# Altium PCB PCB3.PcbDoc
Units mm, origin at the board's own origin, x right, y up, seen from the top; angles counter-clockwise.
Board outline 110 x 150 mm, 2 copper layers (Top Layer, Bottom Layer); 58 components, 0 nets, 211 pads, 0 vias.
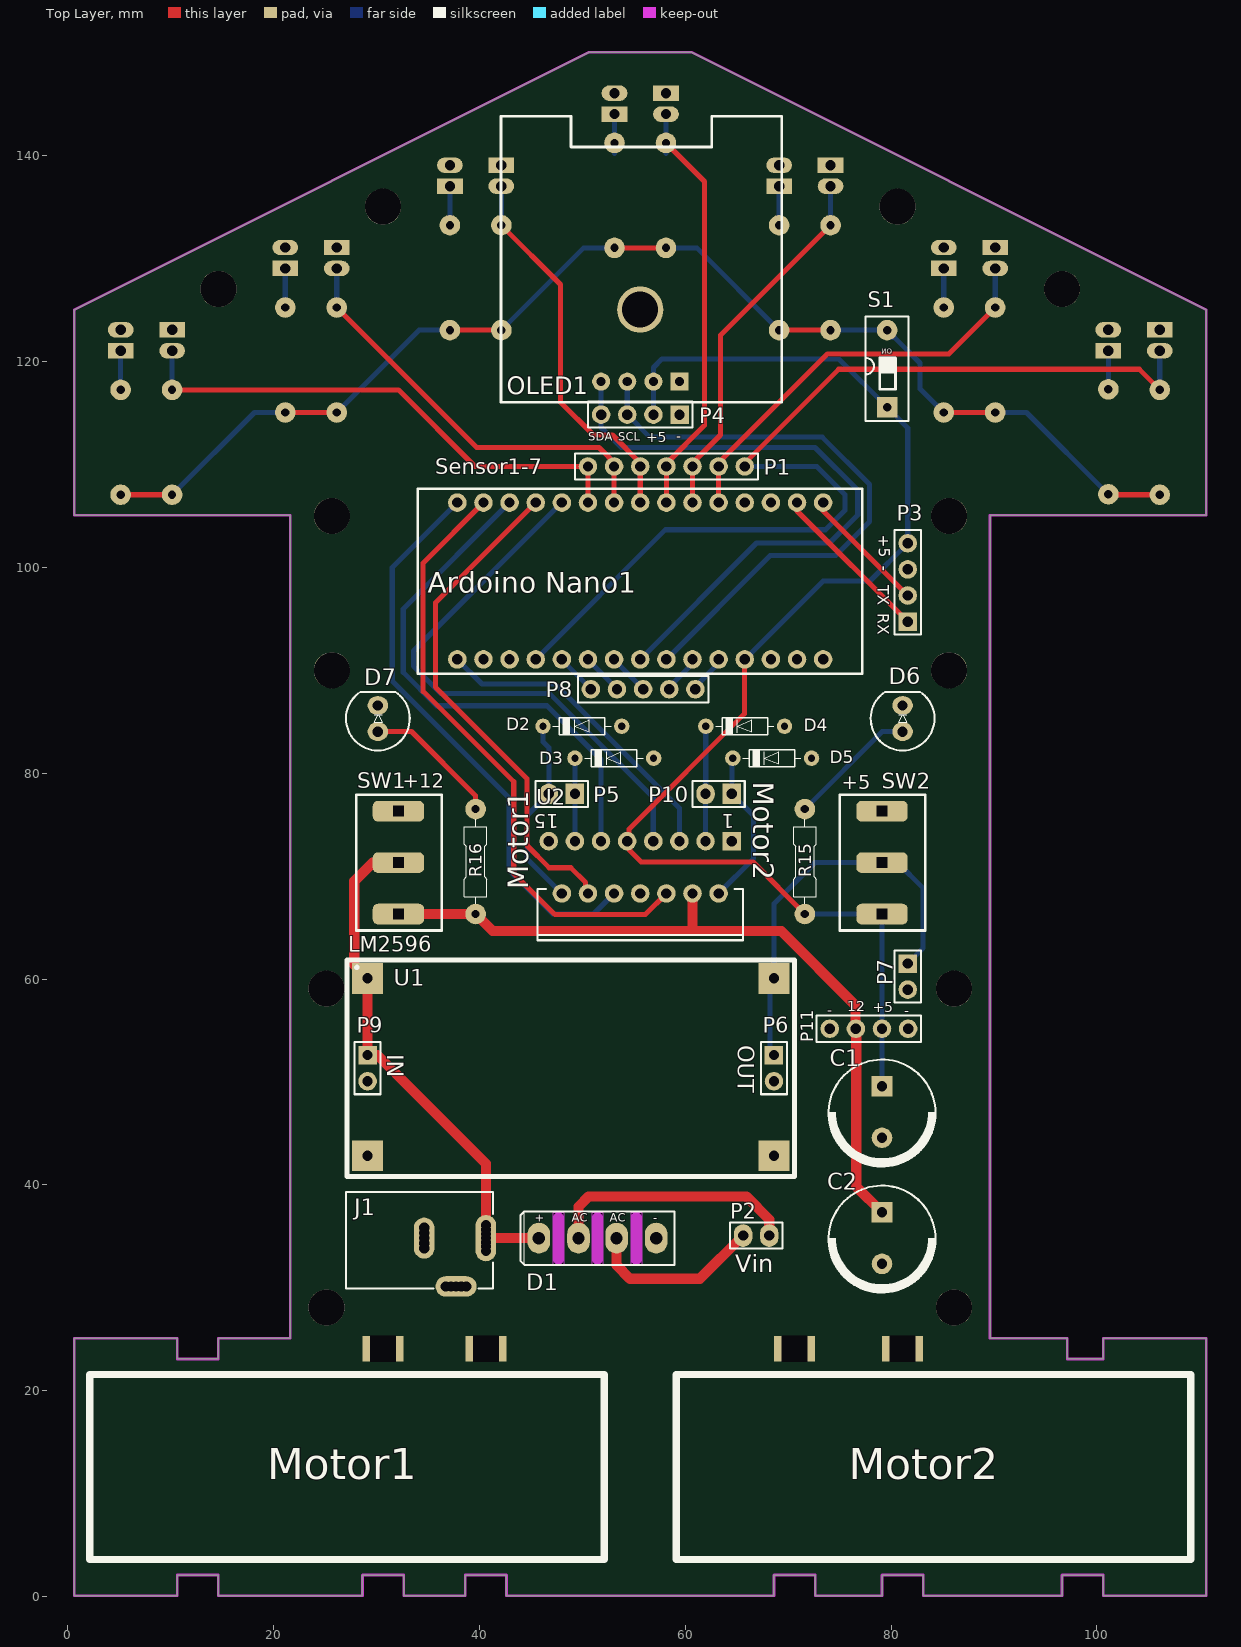
[diagram p0: Top Layer view]
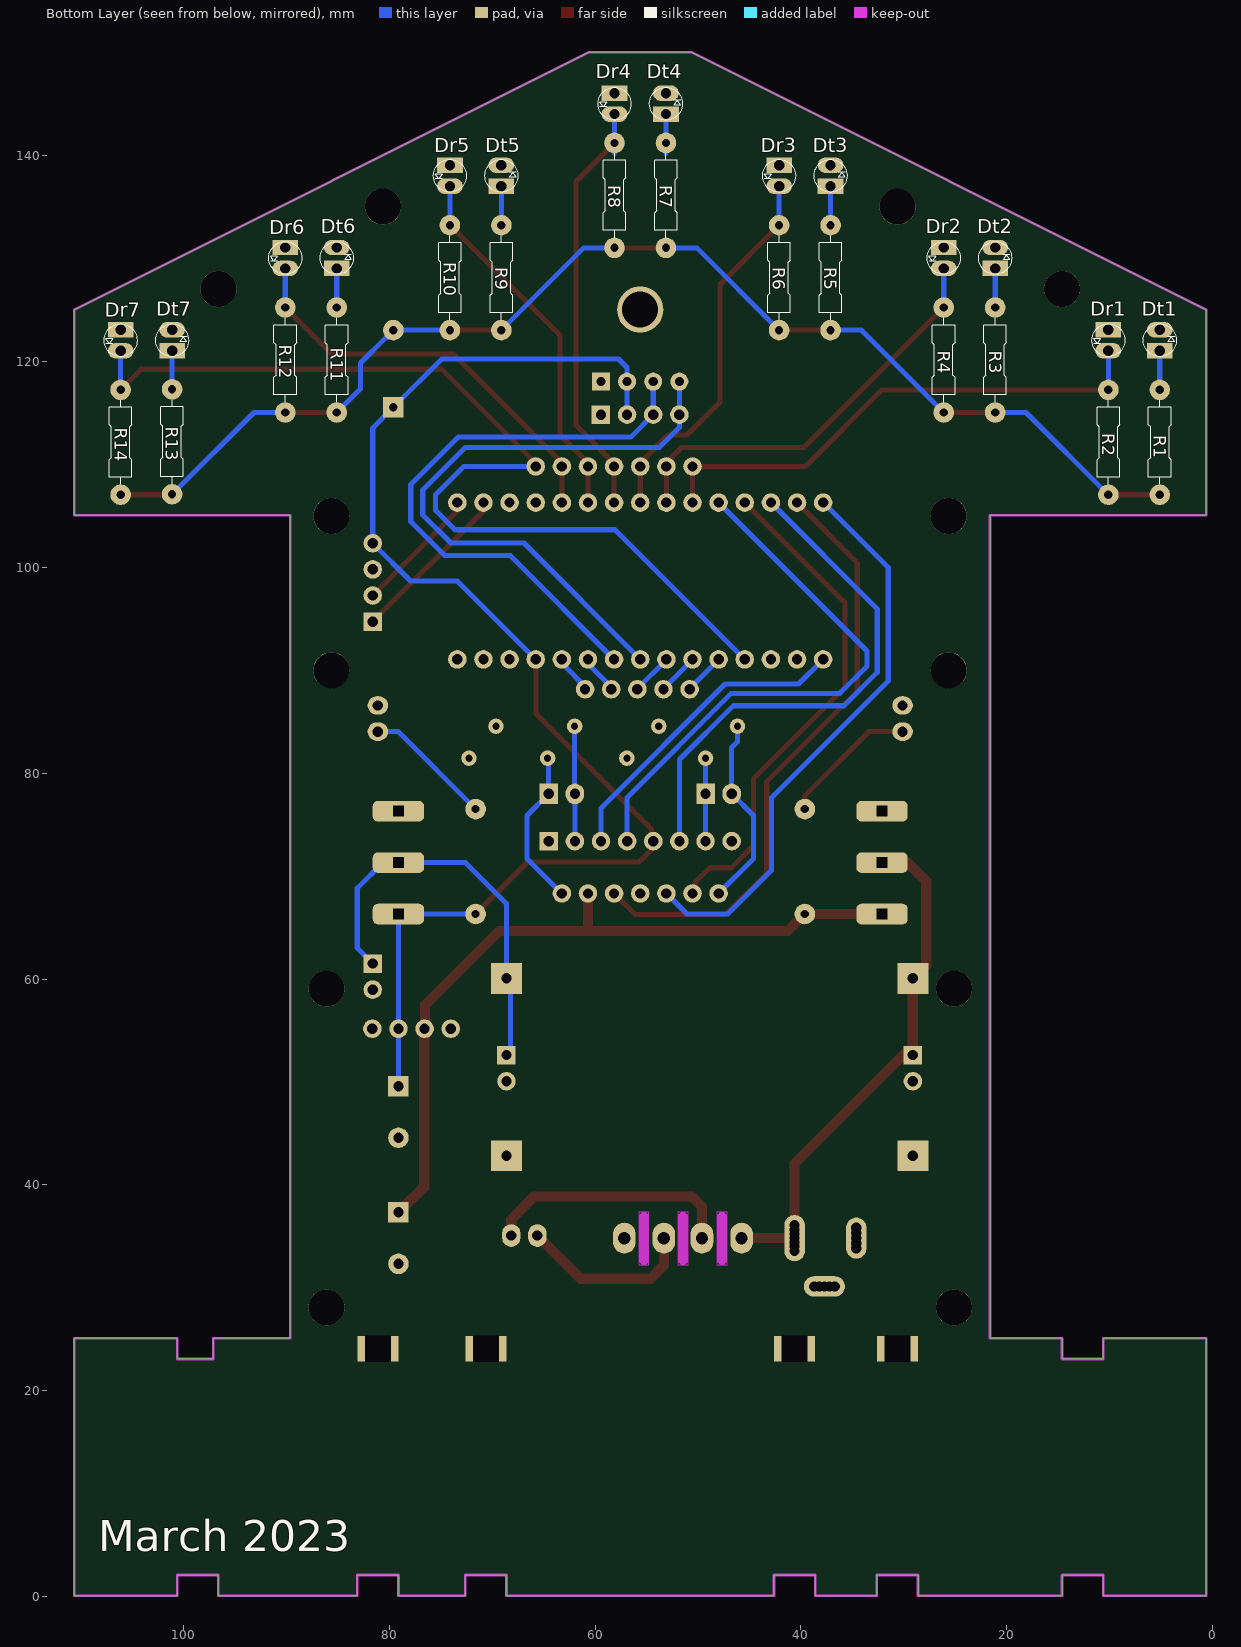
[diagram p1: Bottom Layer view, seen from below]

## Layer stack, top to bottom
Top Solder: solder mask 0.0102, Solder Resist, Dk 3.5
Top Layer: signal copper 0.0356
Dielectric 1: dielectric 0.32, FR-4, Dk 4.8
Bottom Layer: signal copper 0.0356
Bottom Solder: solder mask 0.0102, Solder Resist, Dk 3.5

## Board outline
10.625,0.069 10.625,2.069 14.625,2.069 14.625,0.069 28.625,0.069 28.625,2.069 32.625,2.069 32.625,0.069 38.625,0.069 38.625,2.069 42.625,2.069 42.625,0.069 68.625,0.069 68.625,2.069 72.625,2.069 72.625,0.069 79.125,0.069 79.125,2.069 83.125,2.069 83.125,0.069 96.625,0.069 96.625,2.069 100.625,2.069 100.625,0.069 110.625,0.069 110.625,25.069 100.625,25.069 100.625,23.069 97.125,23.069 97.125,25.069 89.625,25.069 89.625,105.069 110.625,105.069 110.625,125.069 60.625,150.069 50.625,150.069 0.625,125.069 0.625,105.069 21.625,105.069 21.625,25.069 14.625,25.069 14.625,23.069 10.625,23.069 10.625,25.069 0.625,25.069 0.625,0.069

## Design rules (kind name [scope] priority, off if disabled: settings)
Clearance [All] p1: gap=0.254 ignorepadtopadclearanceinfootprint=FALSE except(0: Arc-Hole Track-Hole SMDPad-Hole THPad-Hole Via-Hole Fill-Hole Poly-Hole Region-Hole Text-Hole)
PolygonConnect [All] p1: connectstyle=Relief reliefconductorwidth=0.254 reliefentries=4 polygonreliefangle="90 Angle" airgapwidth=0.254
RoutingVias [All] p1: holewidth=0.711 width=1.27 viastyle="Through Hole" minholewidth=0.711 minwidth=1.27 maxholewidth=0.711 maxwidth=1.27
SolderMaskExpansion [All] p1: expansion=0.102 istentingtop=FALSE
Width [All] p1: maxlimit=2 minlimit=0.254 preferedwidth=0.5 minimp=50.000000 maximp=50.000000 favimp=50.000000
30 further rules are at their usual default settings.

## Components (designator, comment, footprint, x,y, rotation, side; value= is the part's Value field where it differs from the comment)
"Ardoino Nano1" "Arduino_Nano" Arduino_Nano 77.215,107.655 r180 top
C1 "1uF" "Cap electrolitic radial 10x16-5" 79.125,47.069 r270 top
C2 "1uF" "Cap electrolitic radial 10x16-5" 79.125,34.819 r270 top
D1 "Diode Bridge" "Bridge KBP PACKAGE" 51.475,34.819 r0 top
D2 "1N4148" "DO 35" 50,84.569 r0 top
D3 "1N4148" "DO 35" 53.1,81.469 r0 top
D4 "1N4148" "DO 35" 65.825,84.569 r0 top
D5 "1N4148" "DO 35" 68.45,81.469 r0 top
D6 "LED 5MM" LED5MM_RED 81.125,85.319 r90 top
D7 "LED 5MM" LED5MM_RED 30.125,85.319 r90 top
Dr1 "IR transmitter1" LED3mm_GRN 10.125,122.085 r270 bottom
Dr2 "IR transmitter1" LED3mm_GRN 26.125,130.085 r270 bottom
Dr3 "IR transmitter1" LED3mm_GRN 42.125,138.085 r270 bottom
Dr4 "IR transmitter1" LED3mm_GRN 58.125,145.085 r270 bottom
Dr5 "IR transmitter1" LED3mm_GRN 74.125,138.085 r270 bottom
Dr6 "IR transmitter1" LED3mm_GRN 90.125,130.085 r270 bottom
Dr7 "IR transmitter1" LED3mm_GRN 106.125,122.085 r270 bottom
Dt1 "IR receiver1" LED3mm_GRN 5.125,122.085 r90 bottom
Dt2 "IR receiver1" LED3mm_GRN 21.125,130.085 r90 bottom
Dt3 "IR receiver1" LED3mm_GRN 37.125,138.085 r90 bottom
Dt4 "IR receiver1" LED3mm_GRN 53.125,145.085 r90 bottom
Dt5 "IR receiver1" LED3mm_GRN 69.125,138.085 r90 bottom
Dt6 "IR receiver1" LED3mm_GRN 85.125,130.085 r90 bottom
Dt7 "IR receiver1" LED3mm_GRN 101.125,122.085 r90 bottom
J1 "DC Power Jack" "DC Power Jack 1" 40.625,35.619 r0 top
OLED1 "OLED display" OLED-SSD1306 69.395,143.869 r180 top
P1 "Header 7" HDR1X7 50.545,109.819 r0 top locked
P2 "Header 2" HDR1X2#1 68.165,35.069 r180 top
P3 "Header 4" HDR1X4#1 81.625,94.739 r90 top
P4 "Header 4" HDR1X4#1 59.445,114.859 r180 top
P5 "Header 2" HDR1X2#2 49.275,77.999 r180 top
P6 "Header 2" HDR1X2#3 68.625,50.069 r90 top
P7 "Header 2" HDR1X2#4 81.625,61.509 r270 top
P8 "Header 5" HDR1X5 50.825,88.169 r0 top
P9 "Header 2" HDR1X2#4 29.125,52.609 r270 top
P10 "Header 2" HDR1X2#2 64.515,77.999 r180 top
P11 "Header 4" HDR1X4#2 74.045,55.169 r0 top
R1 "100 ohm" "Axial 0_25 W, 0_4 IN LEAD PITCH" 5.125,112.169 r90 bottom
R2 "2.2K" "Axial 0_25 W, 0_4 IN LEAD PITCH" 10.125,112.169 r90 bottom
R3 "100 ohm" "Axial 0_25 W, 0_4 IN LEAD PITCH" 21.125,120.169 r90 bottom
R4 "2.2K" "Axial 0_25 W, 0_4 IN LEAD PITCH" 26.125,120.169 r90 bottom
R5 "100 ohm" "Axial 0_25 W, 0_4 IN LEAD PITCH" 37.125,128.169 r90 bottom
R6 "2.2K" "Axial 0_25 W, 0_4 IN LEAD PITCH" 42.125,128.169 r90 bottom
R7 "100 ohm" "Axial 0_25 W, 0_4 IN LEAD PITCH" 53.125,136.169 r90 bottom
R8 "2.2K" "Axial 0_25 W, 0_4 IN LEAD PITCH" 58.125,136.169 r90 bottom
R9 "100 ohm" "Axial 0_25 W, 0_4 IN LEAD PITCH" 69.125,128.169 r90 bottom
R10 "2.2K" "Axial 0_25 W, 0_4 IN LEAD PITCH" 74.125,128.169 r90 bottom
R11 "100 ohm" "Axial 0_25 W, 0_4 IN LEAD PITCH" 85.125,120.169 r90 bottom
R12 "2.2K" "Axial 0_25 W, 0_4 IN LEAD PITCH" 90.125,120.169 r90 bottom
R13 "100 ohm" "Axial 0_25 W, 0_4 IN LEAD PITCH" 101.125,112.219 r90 bottom
R14 "2.2K" "Axial 0_25 W, 0_4 IN LEAD PITCH" 106.125,112.169 r90 bottom
R15 "220" "Axial 0_25 W, 0_4 IN LEAD PITCH" 71.625,71.419 r90 top
R16 "1K" "Axial 0_25 W, 0_4 IN LEAD PITCH" 39.625,71.419 r90 top
S1 "DS1" "DIP Switch x1" 79.625,115.569 r0 top
SW1 "KCD11" "KCD11 rocker switch" 37.125,63.319 r90 top
SW2 "KCD11" "KCD11 rocker switch" 84.125,63.319 r90 top
U1 "LM2596 module" "LM2596 module" 27.125,40.819 r0 top
U2 "L298N" Multiwatt15V 55.625,70.859 r180 top

## Footprints (in the part's own frame and the unit in brackets; to place one, negate y for a bottom-side part, rotate by r counter-clockwise, add the part's x,y. Pads: shape width x height; smd on the part's side, far side on the other; paste and mask are expansions set on the pad)
Arduino_Nano [mm]
  round 1.8 hole 1: 1(3.81,1.346) 2(6.35,1.346) 3(8.89,1.346) 4(11.43,1.346) 5(13.97,1.346) 6(16.51,1.346) 7(19.05,1.346) 8(21.59,1.346) 9(24.13,1.346) 10(26.67,1.346) 11(29.21,1.346) 12(31.75,1.346) 13(34.29,1.346) 14(36.83,1.346) 15(39.37,1.346) 16(39.37,16.586) 17(36.83,16.586) 18(34.29,16.586) 19(31.75,16.586) 20(29.21,16.586) 21(26.67,16.586) 22(24.13,16.586) 23(21.59,16.586) 24(19.05,16.586) 25(16.51,16.586) 26(13.97,16.586) 27(11.43,16.586) 28(8.89,16.586) 29(6.35,16.586) 30(3.81,16.586)
  silkscreen extent 0,0 43.2,18, body extent -0.07,0 44.93,18, height 13.1
"Axial 0_25 W, 0_4 IN LEAD PITCH" [mm] "Designer Abbas Basereh"
  round 2 hole 0.8: 1(5.1,0) 2(-5.1,0)
  silkscreen extent -4.1,-1.1 4.1,1.1, body extent -5.4,-1.16 5.36,1.16, height 3.63
"Bridge KBP PACKAGE" [mm] "KBP Bridge Rectifiers DESIGNER :ABBAS BASEREH"
  oval 2.2x3 hole 1.2: 1(-5.7,0) 2(-1.85,0) 3(1.85,0) 4(5.7,0)
  Keep-Out Layer board cut-out: 3.3,2.5 4.3,2.5 4.3,-2.6 3.3,-2.6
  Keep-Out Layer board cut-out: -0.5,2.5 0.5,2.5 0.5,-2.6 -0.5,-2.6
  Keep-Out Layer board cut-out: -4.3,2.5 -3.3,2.5 -3.3,-2.6 -4.3,-2.6
  Keep-Out Layer lines w1: -3.8,-2.125 -3.8,2.025 ; 0,-2.125 0,2.025 ; 3.775,-2.125 3.775,2.025
  silkscreen extent -7.5,-2.6 7.5,2.6, body extent -7.38,-2.42 7.35,2.41, height 12.49
"Cap electrolitic radial 10x16-5" [mm] "Cap electrolitic radial 10x16-5-Design:Abbas Basereh"
  rect 2x2 hole 1: 1(-2.5,0)
  round 2 hole 1: 2(2.5,0)
  silkscreen extent -5.1,-5.2 5.3,5.2, body extent -5,-5 5,5, height 16
"DC Power Jack 1" [mm] "Power Adaptor Jack"
  round 1.5 hole 1: 1(0,-2.05) 1(0,-1.6) 1(0,-1.2) 1(0,-0.4) 1(0,0) 1(0,0.45) 2(-6,-1.8) 2(-6,0.2) 2(-6,-1.3) 2(-6,-0.3) 3(-3.9,-5.5) 3(-3.4,-5.5) 3(-2.4,-5.5) 3(-1.9,-5.5)
  oval 2x4.5 hole 1: 1(0,-0.8)
  oval 2x4 hole 1: 2(-6,-0.8)
  oval 4x2 hole 1: 3(-2.9,-5.5)
  silkscreen extent -13.59,-5.7 0.7,3.7, body extent -13.68,-5.74 0.72,3.66, height 11.05
"DIP Switch x1" [mm] "Switch DIP 1 way flat slide Thru-Hole-Design:Ali Hafizi"
  rect 2x2 hole 0.8: 1(0,0)
  round 2 hole 0.8: 2(0,7.5)
  silkscreen extent -2.09,-1.32 2.08,8.82, body extent -1.94,-1.11 1.89,8.64, height 7.33
"DO 35" [mm] "Diode"
  round 1.5 hole 0.7: 1(3.825,0) 2(-3.825,0)
  silkscreen extent -2.88,-0.85 2.8,0.85, body extent -4.1,-0.96 4.08,0.96, height 2.46
HDR1X2#1 [mm] "Connector; Header; 2 Position"
  oval 1.8x2.2 hole 1: 1(0,0) 2(2.54,0)
  silkscreen extent -1.27,-1.27 3.81,1.27, body extent -1.27,-1.28 3.81,1.26, height 8.79
HDR1X2#2 [mm] "Connector; Header; 2 Position"
  rect 1.8x2 hole 1: 1(0,0)
  oval 1.8x2 hole 1: 2(2.54,0)
  silkscreen extent -1.27,-1.27 3.81,1.27, body extent -1.27,-1.28 3.81,1.26, height 8.79
HDR1X2#3 [mm] "Connector; Header; 2 Position"
  round 1.8 hole 1: 1(0,0)
  rect 1.8x1.8 hole 1: 2(2.54,0)
  silkscreen extent -1.27,-1.27 3.81,1.27, body extent -1.27,-1.28 3.81,1.26, height 8.79
HDR1X2#4 [mm] "Connector; Header; 2 Position"
  rect 1.8x1.8 hole 1: 1(0,0)
  round 1.8 hole 1: 2(2.54,0)
  silkscreen extent -1.27,-1.27 3.81,1.27, body extent -1.27,-1.28 3.81,1.26, height 8.79
HDR1X4#1 [mm] "Connector; Header; 4 Position"
  rect 1.8x1.8 hole 1: 1(0,0)
  round 1.8 hole 1: 2(2.54,0) 3(5.08,0) 4(7.62,0)
  silkscreen extent -1.27,-1.27 8.89,1.27, body extent -1.27,-1.28 8.89,1.26, height 8.38
HDR1X4#2 [mm] "Connector; Header; 4 Position"
  round 1.8 hole 1: 1(0,0) 2(2.54,0) 3(5.08,0) 4(7.62,0)
  silkscreen extent -1.27,-1.27 8.89,1.27, body extent -1.27,-1.28 8.89,1.26, height 8.38
HDR1X5 [mm] "Connector; Header; 5 Position"
  round 1.8 hole 1: 1(0,0) 2(2.54,0) 3(5.08,0) 4(7.62,0) 5(10.16,0)
  silkscreen extent -1.27,-1.27 11.43,1.27, body extent -1.28,-1.27 11.42,1.27, height 8.38
HDR1X7 [mm] "Connector; Header; 7 Position"
  round 1.8 hole 1: 1(0,0) 2(2.54,0) 3(5.08,0) 4(7.62,0) 5(10.16,0) 6(12.7,0) 7(15.24,0)
  silkscreen extent -1.27,-1.27 16.51,1.27
"KCD11 rocker switch" [mm]
  rrect50% 2x5 hole 1 square: 1(3,5) 2(8,5) 3(13,5)
  silkscreen extent 1.4,0.8 14.6,9.1, body extent 0.47,-0.25 15.53,10.25, height 14.51
LED3mm_GRN [mm]
  rect 1.5x2.5 hole 1: 1(-1.016,0)
  oval 1.5x2.5 hole 1: 2(1.016,0)
  silkscreen extent -1.6,-1.6 1.6,1.6, body extent -1.75,-1.75 1.75,1.75, height 3.9
LED5MM_RED [mm] "LED 5MM THROUGH HOLE RED-Designer Abbas Basereh"
  oval 1.8x2 hole 1: 1(-1.27,0) 2(1.27,0)
  silkscreen extent -3.1,-3.1 2.6,3.1, body extent -2.97,-3 2.45,3.02, height 12.31
"LM2596 module" [mm]
  rect 3x3 hole 1: 1(2,19.25) 2(2,2) 3(41.5,19.25) 4(41.5,2)
  silkscreen extent 0,0 43.51,21.02, body extent 0.05,0 43.55,21
Multiwatt15V [mm] "TO, Thru-Hole, Vertical, Heatsink Mounted; 15 Bent Staggered Leads; Pitch 1.27 mm"
  rect 1.8x1.8 hole 1: 1(-8.89,-2.54)
  round 1.8 hole 1: 2(-7.62,2.54) 3(-6.35,-2.54) 4(-5.08,2.54) 5(-3.81,-2.54) 6(-2.54,2.54) 7(-1.27,-2.54) 8(0,2.54) 9(1.27,-2.54) 10(2.54,2.54) 11(3.81,-2.54) 12(5.08,2.54) 13(6.35,-2.54) 14(7.62,2.54) 15(8.89,-2.54)
  silkscreen extent -10,2.09 10,7.09, body extent -9.8,-2.81 9.8,7.08, height 21.3
OLED-SSD1306 [mil] "Created by mmd"
  rect 69x69 hole 35: GND(391.73,1015.75)
  round 69 hole 35: SCL(591.73,1015.75) SDA(691.73,1015.75) VCC(491.73,1015.75)
  silkscreen extent 0,0 1075,1094, body extent 12,3 1063,1100, height 215

## Part data
C1 C2: library part "Cap ELECTROLITIC TOTAL SIZE", "Cap electrolitic radial", Data=16-12-2016, Designer="Abbas Basereh"
D1: library part "Diode Bridge TOTAL SIZE", "Full Wave Diode Bridge", ComponentLink1Description=Datasheet, ComponentLink2Description=Reference, Design Date=1395/11/09, Designer="Abbas Basereh", Mounting Technology="Surface Mount\Through-Hole", Status=Unreleased
D2 D3 D4 D5: "DIODE GEN PURP 100V 200MA DO35", ComponentLink1Description="Manufacturer Link", ComponentLink1URL=http://www.digikey.com/product-detail/en/fairchild-on-semiconductor/1N4148/1N4148FS-ND/458603, ComponentLink2Description=Datasheet, PackageDescription="DIODE GEN PURP 100V 200MA DO35", PackageReference="DO 35", PackageVersion=2017-1-12, PART.NO=1N4148, Published=2017-1-12, Publisher="Abbas Basereh"
D6 D7: "Light Emitting Diode", Data=16-12-2016, Designer="Abbas Basereh"
Dr1 Dr2 Dr3 Dr4 Dr5 Dr6 Dr7 Dt1 Dt2 Dt3 Dt4 Dt5 Dt6 Dt7: library part "LED 3MM", "Light Emitting Diode", Designer="Ali Hafizi"
J1: "DC Power Jack. Center Pin 2.5mm. Diameter: 5.7mm", Adding Date=10/21/2009, Company=Personal, Designer="Ali Hafizi", Project Name=Laser
OLED1: library part OLED-SSD1306, "OLED display SSD1306 0.96 inch 64*128px"
P1: "Header, 7-Pin", LatestRevisionDate=17-Jul-2002, LatestRevisionNote="Re-released for DXP Platform.", Publisher="Altium Limited"
P2 P5 P6 P7 P9 P10: "Header, 2-Pin", LatestRevisionDate=17-Jul-2002, LatestRevisionNote="Re-released for DXP Platform.", Publisher="Altium Limited"
P3 P4 P11: "Header, 4-Pin", LatestRevisionDate=17-Jul-2002, LatestRevisionNote="Re-released for DXP Platform.", Publisher="Altium Limited"
P8: "Header, 5-Pin", LatestRevisionDate=17-Jul-2002, LatestRevisionNote="Re-released for DXP Platform.", Publisher="Altium Limited"
R1 R2 R3 R4 R5 R6 R7 R8 R9 R10 R11 R12 R13 R14 R15 R16: library part "RES Axial 0.25W", "RES Axial 0.25W", Data=4-1-2017, Desc.="RES Axial 0.25W", Designer="Abbas Basereh"
S1: library part "DIP Switch 1", "1 BIT DIP Switch"
SW1 SW2: "KCD11 rocker switch 2 state off/on"
U1: "LM2596 DC-DC module 1.25V-30V 3A"
U2: "Dual Full Bridge Driver", Package Information="Latest Revision: Apr-1998", Package Reference=Multiwatt15H, Datasheet="Latest Revision: Jul-1999", Published=8-Jun-2000, Publisher="Altium Limited", Revision 1="24-Aug-2001: Footprint Added.", Revision 2="17-Jul-2002: Re-released for DXP Platform."

## Free pads (board coordinates)
  rect 4x2.5 hole 2.5 square unplated: 1(30.625,24.069) 1(40.625,24.069) 1(70.625,24.069) 1(81.125,24.069)
  round 3.5 hole 3.5 unplated: ""(14.625,127.069) ""(25.125,28.069) ""(25.125,59.069) ""(25.649,90.008) ""(25.649,105.008) ""(30.625,135.069) ""(80.625,135.069) ""(85.649,90.008) ""(85.649,105.008) ""(86.125,28.069) ""(86.125,59.069) ""(96.625,127.069)
  round 4.5 hole 3.5: ""(55.625,125.069)

## Nets (pads, with @x,y where several pads share a name; then routed paths per layer and width w, separated by ;. In a path a pad name is that pad's centre, name@x,y a point inside that pad or via, vN(x,y) a via of type N, cw(c..) or ccw(c..) an arc to the next point about the centre after c; other vN are vias at no path point)
pads on no net: "Ardoino Nano1.1" "Ardoino Nano1.2" "Ardoino Nano1.3" "Ardoino Nano1.4" "Ardoino Nano1.5" "Ardoino Nano1.6" "Ardoino Nano1.7" "Ardoino Nano1.8" "Ardoino Nano1.9" "Ardoino Nano1.10" "Ardoino Nano1.11" "Ardoino Nano1.12" "Ardoino Nano1.13" "Ardoino Nano1.14" "Ardoino Nano1.15" "Ardoino Nano1.16" "Ardoino Nano1.17" "Ardoino Nano1.18" "Ardoino Nano1.19" "Ardoino Nano1.20" "Ardoino Nano1.21" "Ardoino Nano1.22" "Ardoino Nano1.23" "Ardoino Nano1.24" "Ardoino Nano1.25" "Ardoino Nano1.26" "Ardoino Nano1.27" "Ardoino Nano1.28" "Ardoino Nano1.29" "Ardoino Nano1.30" C1.1 C1.2 C2.1 C2.2 D1.1 D1.2 D1.3 D1.4 D2.1 D2.2 D3.1 D3.2 D4.1 D4.2 D5.1 D5.2 D6.1 D6.2 D7.1 D7.2 Dr1.1 Dr1.2 Dr2.1 Dr2.2 Dr3.1 Dr3.2 Dr4.1 Dr4.2 Dr5.1 Dr5.2 Dr6.1 Dr6.2 Dr7.1 Dr7.2 Dt1.1 Dt1.2 Dt2.1 Dt2.2 Dt3.1 Dt3.2 Dt4.1 Dt4.2 Dt5.1 Dt5.2 Dt6.1 Dt6.2 Dt7.1 Dt7.2 J1.1 J1.2 J1.3 OLED1.GND OLED1.SCL OLED1.SDA OLED1.VCC P1.1 P1.2 P1.3 P1.4 P1.5 P1.6 P1.7 P2.1 P2.2 P3.1 P3.2 P3.3 P3.4 P4.1 P4.2 P4.3 P4.4 P5.1 P5.2 P6.1 P6.2 P7.1 P7.2 P8.1 P8.2 P8.3 P8.4 P8.5 P9.1 P9.2 P10.1 P10.2 P11.1 P11.2 P11.3 P11.4 R1.1 R1.2 R2.1 R2.2 R3.1 R3.2 R4.1 R4.2 R5.1 R5.2 R6.1 R6.2 R7.1 R7.2 R8.1 R8.2 R9.1 R9.2 R10.1 R10.2 R11.1 R11.2 R12.1 R12.2 R13.1 R13.2 R14.1 R14.2 R15.1 R15.2 R16.1 R16.2 S1.1 S1.2 SW1.1 SW1.2 SW1.3 SW2.1 SW2.2 SW2.3 U1.1 U1.2 U1.3 U1.4 U2.1 U2.2 U2.3 U2.4 U2.5 U2.6 U2.7 U2.8 U2.9 U2.10 U2.11 U2.12 U2.13 U2.14 U2.15
copper on no net: | length 1381.4
  Top Layer w0.5: 5.625,107.069 10.125,107.069 ; 10.125,117.269 32.125,117.269 39.575,109.819 50.545,109.819 50.545,106.309 ; 21.125,115.069 26.125,115.069 ; 26.125,125.269 39.725,111.669 51.625,111.669 52.613,110.681 52.613,110.643 53.085,110.171 53.085,106.309 ; 30.125,84.049 33.395,84.049 39.625,77.819 39.625,76.519 ; 37.125,123.069 42.125,123.069 ; 40.385,106.309 34.525,100.449 34.525,87.969 43.325,79.169 43.325,70.269 47.325,66.269 56.115,66.269 58.165,68.319 ; 42.125,133.269 47.875,127.519 47.875,116.069 51.075,112.869 52.925,112.869 55.625,110.169 55.625,106.309 ; 45.465,106.309 35.725,96.569 35.725,88.369 44.625,79.469 44.625,72.969 46.775,70.819 48.875,70.819 50.296,69.398 50.296,68.568 50.545,68.319 ; 53.125,131.069 58.125,131.069 ; 58.125,141.269 61.875,137.519 61.875,113.819 58.165,110.109 58.165,106.309 ; 60.705,106.309 60.705,110.149 63.425,112.869 63.425,122.569 74.125,133.269 ; 63.245,106.309 63.245,110.171 63.727,110.653 63.727,110.671 73.825,120.769 85.625,120.769 90.125,125.269 ; 65.745,91.069 65.745,85.789 54.522,74.566 54.522,73.566 54.355,73.399 54.604,73.15 54.604,72.49 55.725,71.369 66.575,71.369 71.625,66.319 ; 65.785,109.819 65.785,110.129 74.925,119.269 104.125,119.269 106.125,117.269 ; 69.125,123.069 74.125,123.069 ; 70.865,106.309 70.865,105.499 81.625,94.739 ; 73.405,106.309 73.405,105.499 81.625,97.279 ; 85.125,115.069 90.125,115.069 ; 101.175,107.069 106.125,107.069
  Top Layer w1: 31.125,66.319 32.125,66.319 39.625,66.319 41.275,64.669 69.325,64.669 76.544,57.45 76.544,55.65 76.625,55.569 76.625,39.819 79.125,37.319 ; 31.125,71.319 29.625,71.319 27.825,69.519 27.825,61.369 29.125,60.069 29.125,52.609 30.085,52.609 40.625,42.069 40.625,36.069 40.625,35.619 40.625,35.219 40.625,34.819 ; 41.025,34.819 45.775,34.819 ; 49.625,34.819 49.625,37.869 50.625,38.869 65.925,38.869 68.165,36.629 68.165,35.069 ; 53.325,34.819 53.325,32.169 54.625,30.869 61.425,30.869 65.625,35.069 ; 60.705,65.239 60.705,68.319
  Bottom Layer w0.5: 5.125,117.269 5.125,121.069 ; 10.125,107.069 18.125,115.069 21.125,115.069 ; 10.125,117.269 10.125,121.069 ; 21.125,125.269 21.125,129.069 ; 26.125,115.069 34.125,123.069 37.125,123.069 ; 26.125,125.269 26.125,129.069 ; 37.125,133.269 37.125,137.069 ; 37.845,91.069 40.245,88.669 47.375,88.669 59.435,76.609 59.435,73.399 ; 37.845,106.309 31.525,99.989 31.525,88.969 42.875,77.619 42.875,70.569 47.125,66.319 51.085,66.319 53.085,68.319 ; 42.125,123.069 50.125,131.069 53.125,131.069 ; 42.125,133.593 42.125,137.069 ; 42.925,106.309 32.585,95.969 32.585,89.809 35.825,86.569 46.575,86.569 51.815,81.329 51.815,73.399 ; 45.465,91.069 58.065,103.669 73.625,103.669 75.525,105.569 75.525,107.069 72.775,109.819 65.785,109.819 ; 46.175,84.569 46.175,83.069 46.755,82.489 46.755,78.019 46.735,77.999 44.625,75.889 44.625,71.699 48.005,68.319 ; 48.005,91.069 48.005,91.029 50.825,88.209 50.825,88.169 ; 48.005,106.309 33.585,91.889 33.585,90.409 36.225,87.769 46.783,87.769 56.895,77.657 56.895,73.399 ; 49.275,73.399 49.275,77.999 49.275,81.469 ; 50.505,109.804 50.533,109.831 ; 50.545,91.069 50.545,91.029 53.365,88.209 53.365,88.169 ; 51.825,118.069 51.825,114.859 51.825,113.619 53.775,111.669 72.625,111.669 76.769,107.525 76.769,105.113 74.025,102.369 66.925,102.369 55.625,91.069 ; 53.085,91.069 53.085,91.029 55.905,88.209 55.905,88.169 ; 53.125,140.269 53.125,144.069 ; 54.365,118.069 54.365,114.859 56.555,112.669 73.325,112.669 77.925,108.069 77.925,104.469 74.625,101.169 68.265,101.169 58.165,91.069 ; 56.905,114.859 56.905,118.069 56.905,119.449 57.725,120.269 74.925,120.269 79.625,115.569 81.625,113.569 81.625,102.359 77.955,98.689 73.405,98.689 65.785,91.069 ; 58.125,131.069 61.125,131.069 69.125,123.069 ; 58.125,140.269 58.125,144.069 ; 58.445,88.169 58.445,88.389 60.456,90.4 60.456,90.82 60.705,91.069 ; 60.985,88.169 60.985,88.429 62.996,90.44 62.996,90.82 63.245,91.069 ; 61.975,73.399 61.975,77.999 ; 62,78.024 62,84.569 ; 63.245,68.319 66.625,71.699 66.625,75.889 64.515,77.999 64.545,78.029 64.545,81.469 ; 68.625,52.609 68.225,53.009 68.225,59.669 68.625,60.069 68.625,67.319 72.625,71.319 79.125,71.319 80.625,71.319 83.125,68.819 83.125,63.009 81.625,61.509 ; 69.125,132.996 69.125,137.069 ; 71.607,76.501 79.155,84.049 81.125,84.049 ; 71.625,66.319 79.125,66.319 ; 74.125,123.069 79.625,123.069 79.625,122.84 80.087,122.378 80.316,122.378 82.825,119.869 82.825,117.369 85.125,115.069 ; 74.125,133.269 74.125,136.069 74.125,137.069 ; 79.125,49.569 79.125,55.569 79.125,66.319 ; 80.625,66.319 79.125,66.319 ; 85.125,125.269 85.125,129.069 ; 90.125,115.069 93.175,115.069 101.125,107.119 101.175,107.069 ; 90.125,125.269 90.125,129.069 ; 101.125,117.319 101.125,121.319 ; 106.125,117.269 106.125,121.319

## Keep-outs
Keep-Out Layer:
  the board outline again, w0.254

## Silkscreen, mask and mechanical layers (free items; w line width, h text height)
Top Overlay:
  lines w0.7: 2.125,3.569 2.125,21.569 52.125,21.569 52.125,3.569 2.125,3.569 ; 59.125,3.569 109.125,3.569 109.125,21.569 59.125,21.569 59.125,3.569
  text "SDA" at 50.575,112.319 h0.8
  text "SCL" at 53.475,112.319 h0.8
  text "-" at 59.125,112.269 h1
  text "+5" at 56.225,112.169 h1
  text "Sensor1-7" at 35.725,109.069 h1.5
  text "+5" at 78.825,103.169 h1.1 r270
  text "-" at 78.875,100.169 h1.1 r270
  text "TX" at 78.725,98.269 h1.1 r270
  text "RX" at 78.725,95.569 h1.1 r270
  text "Motor2" at 66.625,79.167 h2 r270
  text "+12" at 32.525,78.569 h1.4
  text "+5" at 75.225,78.469 h1.4
  text "Motor1" at 44.725,68.704 h2 r90
  text "LM2596" at 27.225,62.669 h1.5
  text "12" at 75.725,56.869 h1
  text "+5" at 78.225,56.769 h1
  text "-" at 73.8,56.494 h1
  text "-" at 81.3,56.419 h1
  text "OUT" at 65.125,53.569 h1.6 r270
  text "IN" at 31.025,52.669 h1.6 r270
  text "Vin" at 64.875,31.519 h1.7
  text "Motor1" at 19.378,11.369 h3
  text "Motor2" at 75.878,11.369 h3
Bottom Overlay:
  text "March 2023" at 108.325,4.369 h3

## Text inside footprints (layer, text, board x,y; h text height)
D1: Top Overlay "AC" at 48.975,36.419 h0.8; Top Overlay "AC" at 52.675,36.419 h0.8; Top Overlay "-" at 56.875,36.419 h0.8; Top Overlay "+" at 45.375,36.419 h0.8
S1: Top Overlay "ON" at 80.125,120.769 h0.5
U2: Top Overlay "15" at 47.685,76.024 h1.4 r180; Top Overlay "1" at 64.745,76.024 h1.4 r180